# KiCad board 60rtho_2.kicad_pcb (continued)
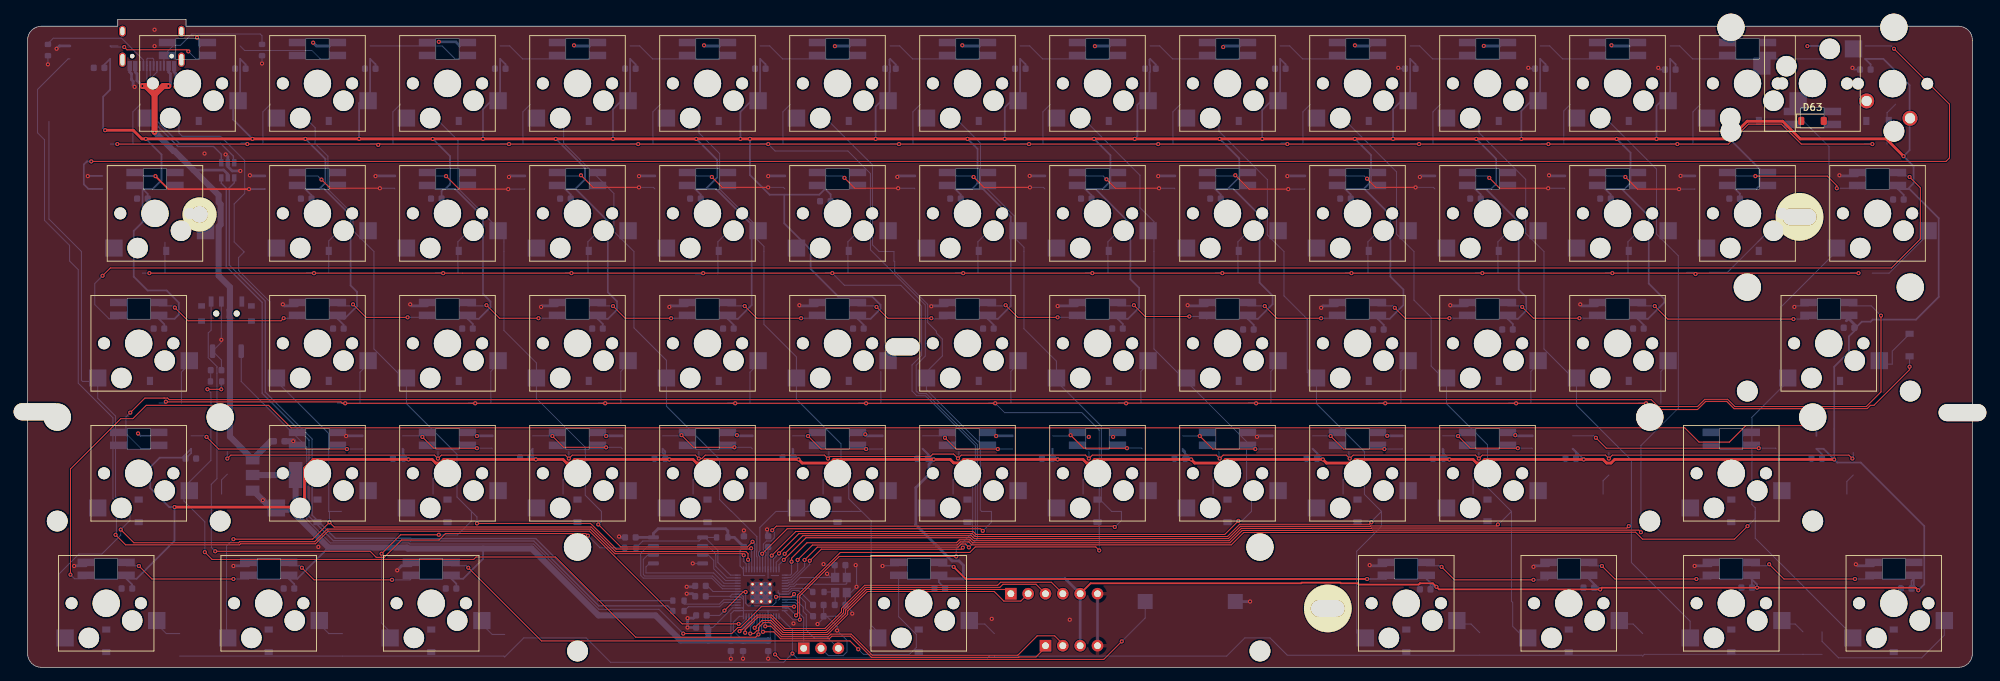
[diagram p0: board, top side]
## Footprints (pads in the part's own frame, mm; a bottom-side part is the same pattern mirrored in y, then rotated) (continued)
  oval 1x2.1 hole 0.6x1.7: S1(-4.32,3.13) S1(4.32,3.13)

## Nets
+1V1: C1.1 C2.1 C10.1 U62.23 U62.45 U62.50
+3V3: C3.1 C4.1 C5.1 C6.1 C7.1 C8.1 C9.1 C11.1 C14.1 C16.1 C17.1 C18.1 C19.1 C20.1 C21.1 C22.1 C23.1 C24.1 C25.1 C26.1 C27.1 C28.1 C29.1 C30.1 C31.1 C32.1 C33.1 C34.1 C35.1 C36.1 C37.1 C38.1 C39.1 C40.1 C41.1 C42.1 C43.1 C44.1 C45.1 C46.1 C47.1 C48.1 C49.1 C50.1 C51.1 C52.1 C53.1 C54.1 C55.1 C56.1 C57.1 C58.1 C59.1 C60.1 C61.1 C62.1 C63.1 C64.1 C65.1 C66.1 C67.1 C68.1 C69.1 C70.1 C71.1 C72.1 C73.1 C74.1 C75.1 C76.1 C77.1 J3.3 J4.5 R6.2 U1.6 U2.6 U3.6 U4.6 U5.6 U6.6 U7.6 U8.6 U9.6 U10.6 U11.6 U12.6 U13.6 U14.6 U15.6 U16.6 U17.6 U18.6 U19.6 U20.6 U21.6 U22.6 U23.6 U24.6 U25.6 U26.6 U27.6 U28.6 U29.6 U30.6 U31.6 U32.6 U33.6 U34.6 U35.6 U36.6 U37.6 U38.6 U39.6 U40.6 U41.6 U42.6 U43.6 U44.6 U45.6 U46.6 U47.6 U48.6 U49.6 U50.6 U51.6 U52.6 U53.6 U54.6 U55.6 U56.6 U57.6 U58.6 U59.6 U60.6 U61.6 U62.1 U62.10 U62.22 U62.33 U62.42 U62.43 U62.44 U62.48 U62.49 U64.8 U65.2
GND: C1.2 C2.2 C3.2 C4.2 C5.2 C6.2 C7.2 C8.2 C9.2 C10.2 C11.2 C12.2 C13.2 C14.2 C15.2 C16.2 C17.2 C18.2 C19.2 C20.2 C21.2 C22.2 C23.2 C24.2 C25.2 C26.2 C27.2 C28.2 C29.2 C30.2 C31.2 C32.2 C33.2 C34.2 C35.2 C36.2 C37.2 C38.2 C39.2 C40.2 C41.2 C42.2 C43.2 C44.2 C45.2 C46.2 C47.2 C48.2 C49.2 C50.2 C51.2 C52.2 C53.2 C54.2 C55.2 C56.2 C57.2 C58.2 C59.2 C60.2 C61.2 C62.2 C63.2 C64.2 C65.2 C66.2 C67.2 C68.2 C69.2 C70.2 C71.2 C72.2 C73.2 C74.2 C75.2 C76.2 C77.2 D62.1 J1.A1 J1.A12 J1.B1 J1.B12 J2.2 J3.4 J4.6 LS1.2 R1.1 R2.1 SW1.1 SW2.2 U1.3 U2.3 U3.3 U4.3 U5.3 U6.3 U7.3 U8.3 U9.3 U10.3 U11.3 U12.3 U13.3 U14.3 U15.3 U16.3 U17.3 U18.3 U19.3 U20.3 U21.3 U22.3 U23.3 U24.3 U25.3 U26.3 U27.3 U28.3 U29.3 U30.3 U31.3 U32.3 U33.3 U34.3 U35.3 U36.3 U37.3 U38.3 U39.3 U40.3 U41.3 U42.3 U43.3 U44.3 U45.3 U46.3 U47.3 U48.3 U49.3 U50.3 U51.3 U52.3 U53.3 U54.3 U55.3 U56.3 U57.3 U58.3 U59.3 U60.3 U61.3 U62.19 U62.57 U63.2 U64.4 U65.1 Y1.2 Y1.4
VBUS: C15.1 J1.A4 J1.A9 J1.B4 J1.B9 U63.5 U65.3
/QSPICLK: U62.52 U64.6
/QSPISD0: U62.53 U64.5
/QSPISD2: U62.54 U64.3
/QSPISD3: U62.51 U64.7
/QSPISS: R6.1 R7.1 U62.56 U64.1
/RESET: SW1.2 U62.26
/SQPISD1: U62.55 U64.2
/SWCLK: J2.3 U62.24
/SWD: J2.1 U62.25
/USB+: J1.A6 J1.B6 U63.3
/USB-: J1.A7 J1.B7 U63.1
/XIN: C12.1 U62.20 Y1.1
/XOUT: R5.1 U62.21
COL1: U1.2 U15.2 U29.2 U42.2 U54.2 U62.2
COL2: U2.2 U16.2 U30.2 U43.2 U55.2 U62.3
COL3: U3.2 U17.2 U31.2 U44.2 U56.2 U62.4
COL4: U4.2 U18.2 U32.2 U45.2 U62.5
COL5: U5.2 U19.2 U33.2 U46.2 U62.6
COL6: U6.2 U20.2 U34.2 U47.2 U57.2 U62.7
COL7: U7.2 U21.2 U35.2 U48.2 U62.8
COL8: U8.2 U22.2 U36.2 U49.2 U62.9
COL9: U9.2 U23.2 U37.2 U50.2 U62.11
COL10: U10.2 U24.2 U38.2 U51.2 U58.2 U62.12
COL11: U11.2 U25.2 U39.2 U52.2 U59.2 U62.13
COL12: U12.2 U26.2 U40.2 U60.2 U62.14
COL13: U13.2 U27.2 U62.15
COL14: U14.2 U28.2 U41.2 U53.2 U61.2 U62.16
Data+: R3.1 U63.4
Data-: R4.1 U63.6
I2C1_SCL: J3.1 U62.35
I2C1_SDA: J3.2 U62.34
LED: R8.2 U62.36
RGBData1: U1.4 U62.41
RGBData2: U14.5 U15.4
RGBData3: U28.5 U29.4
RGBData4: U41.5 U42.4
RGBData5: U53.5 U54.4
ROW1: D1.1 D2.1 D3.1 D4.1 D5.1 D6.1 D7.1 D8.1 D9.1 D10.1 D11.1 D12.1 D13.1 D14.1 U62.17
ROW2: D15.1 D16.1 D17.1 D18.1 D19.1 D20.1 D21.1 D22.1 D23.1 D24.1 D25.1 D26.1 D27.1 D28.1 U62.18
ROW3: D29.1 D30.1 D31.1 D32.1 D33.1 D34.1 D35.1 D36.1 D37.1 D38.1 D39.1 D40.1 D41.1 U62.27
ROW4: D42.1 D43.1 D44.1 D45.1 D46.1 D47.1 D48.1 D49.1 D50.1 D51.1 D52.1 D53.1 U62.28
ROW5: D54.1 D55.1 D56.1 D57.1 D58.1 D59.1 D60.1 D61.1 U62.29
SPEAKER: LS1.1 U62.32
SPI1_CSn: J4.1 U62.37
SPI1_RX: J4.4 U62.40
SPI1_SCK: J4.2 U62.38
SPI1_TX: J4.3 U62.39
Net-(C13-Pad1): C13.1 R5.2 Y1.3
Net-(D1-Pad2): D1.2 U1.1
Net-(D2-Pad2): D2.2 U2.1
Net-(D3-Pad2): D3.2 U3.1
Net-(D4-Pad2): D4.2 U4.1
Net-(D5-Pad2): D5.2 U5.1
Net-(D6-Pad2): D6.2 U6.1
Net-(D7-Pad2): D7.2 U7.1
Net-(D8-Pad2): D8.2 U8.1
Net-(D9-Pad2): D9.2 U9.1
Net-(D10-Pad2): D10.2 U10.1
Net-(D11-Pad2): D11.2 U11.1
Net-(D12-Pad2): D12.2 U12.1
Net-(D13-Pad2): D13.2 U13.1
Net-(D14-Pad2): D14.2 U14.1
Net-(D15-Pad2): D15.2 U15.1
Net-(D16-Pad2): D16.2 U16.1
Net-(D17-Pad2): D17.2 U17.1
Net-(D18-Pad2): D18.2 U18.1
Net-(D19-Pad2): D19.2 U19.1
Net-(D20-Pad2): D20.2 U20.1
Net-(D21-Pad2): D21.2 U21.1
Net-(D22-Pad2): D22.2 U22.1
Net-(D23-Pad2): D23.2 U23.1
Net-(D24-Pad2): D24.2 U24.1
Net-(D25-Pad2): D25.2 U25.1
Net-(D26-Pad2): D26.2 U26.1
Net-(D27-Pad2): D27.2 U27.1
Net-(D28-Pad2): D28.2 U28.1
Net-(D29-Pad2): D29.2 U29.1
Net-(D30-Pad2): D30.2 U30.1
Net-(D31-Pad2): D31.2 U31.1
Net-(D32-Pad2): D32.2 U32.1
Net-(D33-Pad2): D33.2 U33.1
Net-(D34-Pad2): D34.2 U34.1
Net-(D35-Pad2): D35.2 U35.1
Net-(D36-Pad2): D36.2 U36.1
Net-(D37-Pad2): D37.2 U37.1
Net-(D38-Pad2): D38.2 U38.1
Net-(D39-Pad2): D39.2 U39.1
Net-(D40-Pad2): D40.2 U40.1
Net-(D41-Pad2): D41.2 U41.1
Net-(D42-Pad2): D42.2 U42.1
Net-(D43-Pad2): D43.2 U43.1
Net-(D44-Pad2): D44.2 U44.1
Net-(D45-Pad2): D45.2 U45.1
Net-(D46-Pad2): D46.2 U46.1
Net-(D47-Pad2): D47.2 U47.1
Net-(D48-Pad2): D48.2 U48.1
Net-(D49-Pad2): D49.2 U49.1
Net-(D50-Pad2): D50.2 U50.1
Net-(D51-Pad2): D51.2 U51.1
Net-(D52-Pad2): D52.2 U52.1
Net-(D53-Pad2): D53.2 U53.1
Net-(D54-Pad2): D54.2 U54.1
Net-(D55-Pad2): D55.2 U55.1
Net-(D56-Pad2): D56.2 U56.1
Net-(D57-Pad2): D57.2 U57.1
Net-(D58-Pad2): D58.2 U58.1
Net-(D59-Pad2): D59.2 U59.1
Net-(D60-Pad2): D60.2 U60.1
Net-(D61-Pad2): D61.2 U61.1
Net-(D62-Pad2): D62.2 R8.1
Net-(J1-PadA5): J1.A5 R1.2
Net-(J1-PadB5): J1.B5 R2.2
Net-(J1-PadS1): J1.S1
Net-(R3-Pad2): R3.2 U62.47
Net-(R4-Pad2): R4.2 U62.46
Net-(R7-Pad2): R7.2 SW2.3
Net-(U1-Pad5): U1.5 U2.4
Net-(U2-Pad5): U2.5 U3.4
Net-(U3-Pad5): U3.5 U4.4
Net-(U4-Pad5): U4.5 U5.4
Net-(U5-Pad5): U5.5 U6.4
Net-(U6-Pad5): U6.5 U7.4
Net-(U7-Pad5): U7.5 U8.4
Net-(U8-Pad5): U8.5 U9.4
Net-(U10-Pad4): U9.5 U10.4
Net-(U10-Pad5): U10.5 U11.4
Net-(U11-Pad5): U11.5 U12.4
Net-(U12-Pad5): U12.5 U13.4
Net-(U13-Pad5): U13.5 U14.4
Net-(U15-Pad5): U15.5 U16.4
Net-(U16-Pad5): U16.5 U17.4
Net-(U17-Pad5): U17.5 U18.4
Net-(U18-Pad5): U18.5 U19.4
Net-(U19-Pad5): U19.5 U20.4
Net-(U20-Pad5): U20.5 U21.4
Net-(U21-Pad5): U21.5 U22.4
Net-(U22-Pad5): U22.5 U23.4
Net-(U23-Pad5): U23.5 U24.4
Net-(U24-Pad5): U24.5 U25.4
Net-(U25-Pad5): U25.5 U26.4
Net-(U26-Pad5): U26.5 U27.4
Net-(U27-Pad5): U27.5 U28.4
Net-(U29-Pad5): U29.5 U30.4
Net-(U30-Pad5): U30.5 U31.4
Net-(U31-Pad5): U31.5 U32.4
Net-(U32-Pad5): U32.5 U33.4
Net-(U33-Pad5): U33.5 U34.4
Net-(U34-Pad5): U34.5 U35.4
Net-(U35-Pad5): U35.5 U36.4
Net-(U36-Pad5): U36.5 U37.4
Net-(U37-Pad5): U37.5 U38.4
Net-(U38-Pad5): U38.5 U39.4
Net-(U39-Pad5): U39.5 U40.4
Net-(U40-Pad5): U40.5 U41.4
Net-(U42-Pad5): U42.5 U43.4
Net-(U43-Pad5): U43.5 U44.4
Net-(U44-Pad5): U44.5 U45.4
Net-(U45-Pad5): U45.5 U46.4
Net-(U46-Pad5): U46.5 U47.4
Net-(U47-Pad5): U47.5 U48.4
Net-(U48-Pad5): U48.5 U49.4
Net-(U49-Pad5): U49.5 U50.4
Net-(U50-Pad5): U50.5 U51.4
Net-(U51-Pad5): U51.5 U52.4
Net-(U52-Pad5): U52.5 U53.4
Net-(U54-Pad5): U54.5 U55.4
Net-(U55-Pad5): U55.5 U56.4
Net-(U56-Pad5): U56.5 U57.4
Net-(U57-Pad5): U57.5 U58.4
Net-(U58-Pad5): U58.5 U59.4
Net-(U59-Pad5): U59.5 U60.4
Net-(U60-Pad5): U60.5 U61.4

Pads without a net: D63 1 2; H1 1; H2 1; H4 1; J1 A8 B8; SW2 1; U61 5; U62 30 31; U66 1 2

## Via types
v1: diameter 0.61, hole 0.305, Front to Back, 353 vias

## Routing (per net, layer and track width the routed paths; a pad name or vN(x,y) marks a point on that pad's centre or on a via; arc(x,y) is an arc through that point)
+1V1: length 32.1
  Front w0.152: v1(112.31,10.75) 111.9,10.33 v1(109.67,10.33) ; v1(105.22,11.05) 104.84,11.05 102.11,8.32 v1(102.11,8.31)
  Back w0.152: C2.1 113.98,8.61 113.98,9.52 113.19,10.32 112.17,10.32 ; 112.17,10.32 112.31,10.47 v1(112.31,10.75) ; 112.17,10.32 U62.23 ; U62.45 102.91,9.12 101.41,7.62 C10.1 ; C1.1 99.63,11.94 100.45,11.12 U62.50 105.15,11.12 v1(105.22,11.05) 105.22,9.4 105.6,9.02 109.16,9.02 109.67,9.53 v1(109.67,10.33)
+3V3: length 1818.7
  Front w0.152: v1(23.56,90.3) 23.33,90.52 14.57,90.52 v1(14.16,90.93)
  Front w0.254: J4.5 155.77,12.32 186.62,12.32 186.72,12.41 192.35,12.41 192.44,12.32 194.88,12.32 195.06,12.13 203.85,12.13 204.03,12.31 204.03,12.32 205.93,12.32 v1(206.44,11.81) 206.82,11.43 v1(230.44,11.43) 230.7,11.68 v1(253.43,11.68) 276.67,11.68 v1(277.05,11.3)
  Front w0.406: v1(11.37,78.74) 15.48,78.74 16.75,77.47 v1(17.34,77.47) v1(40.7,77.47) v1(48.58,77.47) v1(59.37,77.47) v1(66.74,77.47) v1(77.41,77.47) v1(85.79,77.47) v1(97.98,77.47) v1(104.46,77.47) v1(105.85,77.47) v1(124.27,77.47) v1(137.73,77.47) v1(143.19,77.47) v1(156.27,77.47) v1(162.24,77.47) v1(174.69,77.47) v1(180.91,77.47) v1(194.5,77.47) v1(200.09,77.47) v1(212.28,77.47) v1(218.88,77.47) v1(232.85,77.47) v1(238.7,77.47) 249.39,77.47 251.98,80.06 257.16,80.06 259.75,77.47 272.35,77.47 v1(274.89,74.93) ; v1(21.53,23.49) v1(39.94,23.49) 40.58,24.13 40.58,29.21 41.85,30.48 v1(55.82,30.48) 59.28,30.48 59.82,29.95 60.45,29.95 60.98,30.48 v1(74.49,30.48) 78.46,30.48 78.99,29.95 79.63,29.95 80.16,30.48 v1(94.04,30.48) 97.51,30.48 98.04,29.95 98.74,29.95 99.28,30.48 v1(112.97,30.48) 113.5,29.95 117.6,29.95 118.13,30.48 v1(132.78,30.48) 135.19,30.48 135.7,29.97 136.68,29.97 137.18,30.48 v1(150.94,30.48) 154.66,30.48 155.19,29.95 155.83,29.95 156.36,30.48 v1(170.5,30.48) 171.03,29.95 175.01,29.95 175.54,30.48 v1(189.8,30.48) 190.33,29.95 194.06,29.95 194.59,30.48 v1(208.34,30.48) 211.81,30.48 212.34,29.95 212.98,29.95 213.51,30.48 v1(228.03,30.48) 230.86,30.48 231.39,29.95 232.03,29.95 232.56,30.48 v1(264.73,30.48)
  Back w0.152: C14.1 112.96,11.28 112.06,11.28 111.5,10.72 U62.22 110.25,10.72 110.12,10.84 ; C8.1 108.51,17.64 U62.10 108.51,13.1 ; 31.14,91.09 31.81,90.42 41.66,90.42 42.89,89.19 44.29,89.19 ; v1(23.56,90.3) 24.67,89.19 25.24,89.19 ; 104.91,8.31 108.46,8.31 ; 104.91,8.31 U62.42 104.3,7.48 103.42,6.6 103.42,5.36 C6.1 ; 104.91,8.31 104.9,8.32 U62.43 103.51,8.32 103.06,7.87 C4.1 ; 104.91,8.31 104.91,8.57 ; 108.46,8.31 108.51,8.27 U62.33 108.51,6.8 108.83,6.48 108.83,4.24 C9.1 ; 108.46,8.31 109.98,8.31 ; 102.93,10.41 103.03,10.32 U62.48 104.5,10.32 104.91,9.91 ; 102.93,10.41 103.24,10.72 U62.49 104.53,10.72 104.91,10.35 104.91,9.91 ; 102.93,10.41 C7.1 ; 110.12,10.84 109.98,10.98 109.98,11.26 ; 110.12,10.84 110.2,10.77 110.2,10.03 109.98,9.81 ; C3.1 104.41,17.09 104.41,14.86 U62.1 104.91,13.52 104.97,13.46 108.04,13.46 ; 104.91,9.91 104.91,8.57 ; 13.24,91.09 12.09,91.09 12.25,90.93 v1(14.16,90.93) ; C11.1 100.39,5.84 103.27,8.72 U62.44 104.75,8.72 104.91,8.57 ; 108.97,13.46 110.05,13.46
  Back w0.254: C21.1 46.32,50.2 45.43,51.09 46.43,51.09 48.27,52.93 48.27,55.04 47.33,55.98 47.33,66.27 43.46,70.14 40.67,70.14 ; 154.97,70.14 155.92,69.19 C70.1 ; 154.97,70.14 157.56,70.14 158.68,71.26 158.68,75.06 v1(156.27,77.47) ; 154.97,70.14 156.47,70.14 161.61,65 161.61,56.89 162.88,55.62 162.88,52.73 161.24,51.09 159.73,51.09 160.49,50.33 C66.1 ; 212.94,68.71 212.94,69.32 212.12,70.14 ; 79.59,68.71 79.59,69.32 78.77,70.14 ; 60.99,70.14 61.22,70.14 ; 60.99,70.14 59.72,70.14 ; 60.99,70.14 60.67,69.82 C46.1 ; 61.22,70.14 62.64,70.14 66.74,66.04 66.74,54.74 67.83,53.64 67.83,52.8 66.12,51.09 64.48,51.09 65.24,50.33 C18.1 ; 61.22,70.14 61.82,70.74 61.91,70.74 61.91,74.93 v1(59.37,77.47) ; 40.67,70.14 41.61,69.2 C26.1 ; 40.67,70.14 42.75,70.14 43.65,71.04 43.65,74.52 v1(40.7,77.47) ; C64.1 241.49,88.39 240.69,89.19 240.69,84.32 238.7,82.32 v1(238.7,77.47) ; 205.6,12.37 204.98,12.99 ; 205.6,12.37 205.58,12.34 C28.1 ; 205.6,12.37 206.15,11.81 v1(206.44,11.81) ; 135.92,70.14 138.4,70.14 139.2,70.94 139.2,76 v1(137.73,77.47) ; 135.92,70.14 136.74,69.32 C68.1 ; 135.92,70.14 139.98,70.14 144.08,66.04 144.08,52.98 142.19,51.09 140.68,51.09 141.57,50.2 141.57,49.66 ; v1(85.79,77.47) 85.79,81.82 88.29,84.32 88.29,89.19 89.1,88.38 89.1,87.76 ; C45.1 112.2,31.94 112.11,32.04 112.11,31.34 v1(112.97,30.48) ; 78.77,70.14 80.29,70.14 85.03,65.4 85.03,54.99 86.37,53.64 86.37,52.43 85.04,51.09 83.53,51.09 84.29,50.33 C61.1 ; 78.77,70.14 80.27,70.14 81.67,71.54 81.67,73.2 v1(77.41,77.47) ; C57.1 146.24,88.39 145.44,89.19 145.44,84.32 143.19,82.07 v1(143.19,77.47) ; 212.12,70.14 213.67,70.14 218.5,65.3 218.5,55.37 219.6,54.28 219.6,52.3 218.39,51.09 216.88,51.09 217.64,50.33 C35.1 ; 212.12,70.14 214.48,70.14 215.2,70.86 215.2,74.55 v1(212.28,77.47) ; 110.88,69.28 108.73,69.28 105.85,72.16 v1(105.85,77.47) ; 110.88,69.28 110.88,65.08 114.74,61.21 114.74,58.39 118.78,54.35 123.76,54.35 124.98,53.14 124.98,52.55 123.52,51.09 121.63,51.09 122.52,50.2 C67.1 ; 110.88,69.28 116.01,69.28 116.87,70.14 117.68,69.33 C60.1 ; v1(162.24,77.47) 162.62,77.85 162.62,82.45 164.4,84.23 164.4,87.2 164.5,87.3 164.5,88.21 164.4,88.31 164.4,89.1 164.49,89.19 165.32,88.37 C65.1 ; 193.07,70.14 195.81,70.14 196.86,71.19 196.86,75.11 v1(194.5,77.47) ; 193.07,70.14 195.86,70.14 199.71,66.29 199.71,57.28 201.61,55.37 201.61,53.11 199.59,51.09 197.83,51.09 198.72,50.2 198.72,49.53 ; 193.07,70.14 193.89,69.32 C75.1 ; v1(17.34,77.47) 19.62,75.18 19.62,71.4 18.36,70.14 16.86,70.14 ; 274.92,68.58 274.92,69.25 274.03,70.14 ; v1(66.74,77.47) 66.74,81.82 69.24,84.32 69.24,89.19 70.04,88.39 C55.1 ; C40.1 20.03,50.3 19.24,51.09 21.54,51.09 22.16,51.71 22.16,53.47 20.38,55.24 17.59,55.24 15.56,57.28 15.56,63.97 16.86,65.27 16.86,70.14 ; 97.82,70.14 99.39,70.14 101.05,71.8 101.05,74.4 v1(97.98,77.47) ; 97.82,70.14 100.87,70.14 106.11,64.9 106.11,53.11 104.09,51.09 102.58,51.09 103.47,50.2 C53.1 ; 97.82,70.14 98.64,69.32 C63.1 ; C51.1 150.19,32.02 150.21,32.04 150.21,31.21 v1(150.94,30.48) ; v1(249.32,77.54) 253.81,73.05 253.81,70.61 253.34,70.14 250.22,70.14 250.91,69.44 C38.1 ; C49.1 127.22,88.37 126.39,89.19 126.3,89.1 126.3,88.31 126.4,88.21 126.4,87.3 126.3,87.2 126.3,84.23 124.27,82.2 v1(124.27,77.47) ; C59.1 179.67,50.2 178.78,51.09 180.29,51.09 182.44,53.24 182.44,54.48 180.53,56.39 180.53,66.29 176.68,70.14 174.02,70.14 ; C41.1 11.25,88.35 12.09,89.19 12.09,84.67 11.06,83.63 11.06,79.04 v1(11.37,78.74) ; C44.1 231.99,69.32 231.17,70.14 ; v1(48.58,77.47) 48.58,82.71 50.19,84.32 50.19,89.19 50.99,88.39 C62.1 ; C77.1 17.6,69.39 16.86,70.14 ; C34.1 207.48,31.91 207.36,32.04 207.36,31.47 v1(208.34,30.48) ; 174.02,70.14 175.84,70.14 177.56,71.85 177.56,74.6 v1(174.69,77.47) ; 174.02,70.14 174.84,69.32 C76.1 ; C19.1 236.82,50.2 235.93,51.09 237.44,51.09 239.84,53.49 239.84,53.97 237.55,56.26 237.55,66.17 233.58,70.14 231.17,70.14 ; C22.1 226.9,31.55 226.41,32.04 226.47,32.04 v1(228.03,30.48) ; v1(104.46,77.47) 104.46,81.44 107.34,84.32 107.34,89.19 108.14,88.39 C33.1 ; v1(218.88,77.47) 218.88,81.56 221.64,84.32 221.64,89.19 222.44,88.39 C69.1 ; 231.17,70.14 234.03,70.14 234.89,70.99 234.89,75.44 v1(232.85,77.47) ; 66.75,17.41 66.75,15.91 63.83,12.99 62.1,12.99 62.83,12.26 62.83,11.56 ; v1(264.73,30.48) 263.17,32.04 262.13,32.04 262.95,31.21 262.95,30.61 ; v1(264.73,30.48) 264.73,44.07 266.89,46.22 266.89,48.51 268.03,49.66 268.03,49.93 268.77,50.67 270.07,50.67 270.37,50.98 276.72,50.98 280.05,54.3 280.05,65.84 275.74,70.14 274.03,70.14 ; v1(264.73,30.48) 265.19,30.02 268.62,30.02 277.93,20.71 277.93,12.18 v1(277.05,11.3) 276.4,11.95 276.4,12.99 276.06,12.65 C31.1 ; C43.1 188.94,31.41 188.31,32.04 189.8,30.54 v1(189.8,30.48) ; 274.03,70.14 275.54,70.14 276.36,70.97 276.36,73.46 v1(274.89,74.93) 275.78,75.82 275.78,85.34 271.93,89.19 269.27,89.19 270.07,88.39 C71.1 ; C24.1 23.97,31.42 23.97,32.04 23.97,32.03 22.67,30.73 19.37,30.73 17.97,29.34 17.97,26.29 20.76,23.49 v1(21.53,23.49) 21.53,18.54 15.98,12.99 14.48,12.99 15.33,12.13 C20.1 ; v1(32.96,77.47) 30.11,80.31 30.11,83.29 31.14,84.32 31.14,89.19 31.95,88.38 C47.1 ; C50.1 169.63,31.66 169.26,32.04 169.26,31.72 v1(170.5,30.48) ; 133.54,12.99 133.54,12.47 C42.1 ; C74.1 203.39,88.39 202.59,89.19 202.59,84.32 200.09,81.82 v1(200.09,77.47) ; v1(55.82,30.48) 54.96,31.34 54.96,32.04 55.08,31.91 C30.1 ; C37.1 73.72,31.76 74.01,32.04 74.01,30.96 v1(74.49,30.48) ; v1(253.43,11.68) 253.43,12.15 252.59,12.99 252.68,12.9 C23.1 ; C72.1 184.34,88.39 183.54,89.19 183.54,84.32 180.91,81.69 v1(180.91,77.47) ; C32.1 39.08,12.2 38.29,12.99 39.52,12.99 44.09,17.56 ; C48.1 93.43,31.66 93.06,32.04 93.06,31.47 v1(94.04,30.48) 93.92,30.61 C48.1 ; 132.04,30.48 C56.1 131.92,31.28 131.16,32.04 132.72,30.48 v1(132.78,30.48) 132.04,30.48 ; v1(230.44,11.43) 230.35,11.43 228.79,12.99 229.55,12.22 C27.1 230.19,11.68 v1(230.44,11.43)
  Back w0.406: 137.13,12.99 137.13,14.95 136.49,15.59 135.47,15.59 130.16,20.9 130.16,26.34 132.09,28.27 132.09,29.79 v1(132.78,30.48) ; 137.13,12.99 133.54,12.99 ; 137.13,12.99 152.05,12.99 J4.5 J3.3 ; C3.1 103.57,19.05 R6.2 102.62,20 102.3,20.32 92.39,20.32 91.71,19.64 U64.8 89.1,19.05 ; 268.03,49.93 266.89,51.08 266.89,51.09 266.8,51.09 266.51,50.8 ; 39.28,23.21 39.66,23.21 v1(39.94,23.49)
  Back w0.889: C11.1 99.75,5.61 99.75,3.95 ; 39.28,23.21 39.18,23.11 C16.1 ; 39.28,23.21 U65.2 32.98,28.19 ; 39.28,23.21 39.28,22.38 44.09,17.56 55.59,17.56 55.74,17.41 73.86,17.41 83.65,7.62 92.01,7.62 95.68,3.95 99.75,3.95 ; 99.75,3.95 C4.1 104.83,3.95 C6.1 104.85,3.92 108.51,3.92 C9.1
GND: length 360.7
  Front w0.152: v1(108.52,70.36) 101.79,70.36 v1(100.27,71.88) ; v1(138.62,71.88) 140.14,70.36 v1(146.88,70.36) ; v1(214.19,71.75) 215.71,70.23 v1(222.82,70.23) ; v1(89.6,70.36) 82.87,70.36 v1(81.09,72.13) ; v1(158.1,71.54) 159.41,70.23 v1(165.8,70.23) ; v1(176.97,72.13) 179.01,70.1 v1(184.72,70.1) ; v1(234.12,71.88) 235.9,70.1 v1(242,70.1) ; v1(119.7,71.75) 121.22,70.23 v1(127.57,70.23) ; v1(196.28,71.63) 197.55,70.36 v1(203.39,70.36) ; v1(70.42,70.1) 63.23,70.1 v1(61.33,72.01) ; v1(43.07,71.5) 44.34,70.23 v1(51.63,70.23)
  Front w0.254: v1(32.45,70.1) 20.64,70.1 v1(18.73,72.01)
  Back w0.152: 212.12,72.04 213.9,72.04 v1(214.19,71.75) ; 91.92,70.14 91.7,70.36 v1(89.6,70.36) ; J2.2 117.35,1.71 119.51,1.71 120.08,2.28 120.08,3.95 v1(118.62,5.41) 118.62,5.97 117.1,7.49 C2.2 ; 110.97,70.14 110.75,70.36 v1(108.52,70.36) ; 260.99,52.99 259.05,52.99 v1(258.89,52.83) ; 135.92,72.04 138.46,72.04 v1(138.62,71.88) ; v1(158.1,71.54) 157.6,72.04 154.97,72.04 ; 231.17,72.04 233.97,72.04 v1(234.12,71.88) ; v1(51.63,70.23) 53.73,70.23 53.82,70.14 ; C13.2 120.84,8.14 v1(120.84,7.87) ; C13.2 119.84,10.76 Y1.2 120.63,10.96 v1(121.48,11.81) 121.48,14.86 v1(121.35,14.98) ; C13.2 119.84,7.89 119.44,7.49 C2.2 ; v1(100.27,71.88) 100.11,72.04 97.82,72.04 ; 193.07,72.04 195.87,72.04 v1(196.28,71.63) ; 40.67,72.04 42.53,72.04 v1(43.07,71.5) ; 78.77,72.04 80.99,72.04 v1(81.09,72.13) ; 244.32,70.14 244.28,70.1 v1(242,70.1) ; C2.2 116.65,7.24 v1(115.76,6.35) ; C2.2 C14.2 ; v1(222.82,70.23) 225.18,70.23 225.27,70.14 ; 59.72,72.04 61.3,72.04 v1(61.33,72.01) ; C4.2 v1(103.06,1.27) ; 149.07,70.14 148.85,70.36 v1(146.88,70.36) ; 187.17,70.14 187.13,70.1 v1(184.72,70.1) ; v1(203.39,70.36) 206,70.36 206.22,70.14 ; C6.2 v1(104.84,1.27) ; 127.64,14.89 125.32,14.89 v1(125.29,14.86) ; 116.87,72.04 119.41,72.04 v1(119.7,71.75) ; v1(165.8,70.23) 168.03,70.23 168.12,70.14 ; 28.4,53.63 v1(28.4,48.02) 28.4,47.64 SW1.1 28.41,45.05 D62.1 ; 72.87,70.14 72.83,70.1 v1(70.42,70.1) ; Y1.4 117.71,13.16 v1(117.15,13.72) ; Y1.4 118.29,13.22 C12.2 116.78,14.98 v1(116.63,15.13) ; Y1.4 113.21,13.16 112.24,12.19 111.68,12.19 111.41,11.92 U62.19 ; U64.4 v1(97.47,15.24) ; v1(127.57,70.23) 129.93,70.23 130.02,70.14 ; v1(176.97,72.13) 176.88,72.04 174.02,72.04 ; C9.2 v1(108.52,1.27) ; R1.1 v1(2.98,88.39) ; R2.1 v1(34.35,88.52)
  Back w0.254: v1(238.95,87.88) 239.2,87.63 C64.2 ; v1(8.83,72.01) 8.86,72.04 10.96,72.04 ; v1(32.45,70.1) 34.73,70.1 34.77,70.14 ; C71.2 267.65,87.63 v1(267.4,87.88) ; C74.2 200.98,87.76 v1(200.85,87.88) ; v1(219.9,87.88) 220.03,87.76 C69.2 ; v1(18.73,72.01) 18.7,72.04 16.86,72.04
  Back w0.406: v1(208.47,53.08) 208.57,52.99 210.98,52.99 ; v1(21.65,85.09) 21.73,85.16 21.73,87.01 21.47,87.27 J1.A12 ; v1(265.49,72.13) 265.59,72.04 268.13,72.04 ; v1(267.91,15.11) 268.13,14.89 270.5,14.89 ; v1(30.16,14.86) 30.19,14.89 32.39,14.89 ; 172.88,52.99 170.09,52.99 v1(169.99,53.08) ; 115.73,52.99 113.19,52.99 v1(113.09,53.08) ; 39.53,52.99 37.62,52.99 v1(37.4,53.21) ; v1(75.25,52.83) 75.41,52.99 77.63,52.99 ; v1(222.95,72.13) 223.04,72.04 225.27,72.04 ; 149.07,72.04 v1(146.84,72.04) ; v1(6.82,14.86) 6.85,14.89 8.58,14.89 ; v1(50.99,72.01) 51.02,72.04 53.82,72.04 ; v1(54.17,14.22) 54.83,14.89 56.2,14.89 ; C7.2 97.45,10.79 v1(96.58,10.79) ; 58.58,52.99 56.29,52.99 v1(56.07,53.21) ; J1.A1 14.97,87.27 15.23,87.01 15.23,86.15 15.47,85.91 15.47,85.3 v1(15.68,85.09) ; C8.2 108.36,19.36 v1(108.36,20.22) ; v1(96.58,11.81) 97.7,11.81 C1.2 ; v1(31.18,72.77) 29.98,72.77 29.34,73.41 U63.2 29.34,74.86 v1(29.02,75.18) ; 96.68,52.99 94.2,52.99 v1(94.04,52.83) ; v1(220.66,14.73) 220.82,14.89 222.89,14.89 ; v1(32.58,72.13) 32.67,72.04 34.77,72.04 ; v1(189.55,52.7) 189.83,52.99 191.93,52.99 ; C5.2 86.8,19.05 v1(86.68,19.18) ; 168.12,72.04 165.7,72.04 v1(165.67,72.01) ; v1(70.55,71.88) 70.71,72.04 72.87,72.04 ; 199.08,14.89 196.76,14.89 v1(196.66,14.98) ; 91.92,72.04 89.63,72.04 v1(89.6,72.01) ; v1(150.94,52.96) 150.97,52.99 153.83,52.99 ; 134.78,52.99 132.48,52.99 v1(132.42,52.93) ; 230.03,52.99 227.74,52.99 v1(227.52,53.21) ; 244.32,72.04 v1(242.22,72.04) ; 49.06,33.94 46.7,33.94 v1(46.67,33.91) ; 6.19,91.09 4.67,91.09 v1(4.25,90.68) ; 110.97,72.04 108.55,72.04 v1(108.52,72.01) ; 182.41,33.94 180.31,33.94 v1(180.15,33.78) ; LS1.2 v1(179.13,9.65) ; C10.2 97.56,7.21 v1(96.71,7.21) v1(96.71,5.84) C11.2 ; v1(244.28,14.86) 244.32,14.89 246.69,14.89 ; v1(184.59,72.01) 184.63,72.04 187.17,72.04 ; 206.22,72.04 204.18,72.04 v1(204.03,71.88) ; C3.2 v1(104.97,20.06) ; v1(127.44,71.88) 127.6,72.04 130.02,72.04 ; J4.6 J3.4
  Back w0.889: 34.47,24.5 v1(34.48,24.51) ; 34.47,24.5 33.08,25.89 32.98,25.89 ; 34.47,24.5 C16.2 ; 37.66,33.15 v1(38.93,33.15)
  vias: v1(18.61,93.47) v1(18.61,91.06) v1(25.93,75.32) v1(42.61,17.65) v1(112.23,6.43) v1(141.29,7.11) v1(152.72,6.98) v1(155.51,33.78)
VBUS: length 81.2
  Front w0.889: 18.61,83.95 17.34,85.22 v1(16.83,85.22) ; 18.61,83.95 19.88,85.22 v1(20.64,85.22) ; 18.61,83.95 v1(18.61,78.48)
  Back w0.406: U63.5 29.34,72.3 28.74,72.9 24.32,72.9 ; J1.A4 15.77,87.27 16.03,87.01 16.03,86.01 v1(16.83,85.22) ; J1.A9 20.67,87.27 20.93,87.01 20.93,85.51 v1(20.64,85.22)
  Back w0.889: v1(18.61,78.48) 21.4,75.69 21.53,75.69 28,69.21 28,68.16 28.29,67.87 28.29,64.9 28,64.61 28,57.4 29.65,55.75 29.65,52.42 29.6,52.37 29.6,51.36 29.65,51.31 29.65,33.82 32.98,30.49 35.63,33.15 C15.1
/QSPICLK: length 18.5
  Back w0.152: U62.52 102.06,11.92 102.04,11.94 101.84,11.94 100.39,13.38 90.44,13.38 90.23,13.59 90.23,15.83 90.91,16.51 U64.6
/QSPISD0: length 16.3
  Back w0.152: U64.5 91.12,15.24 90.61,14.73 90.61,13.84 100.53,13.84 102.05,12.32 U62.53
/QSPISD2: length 7.7
  Back w0.152: U64.3 99.71,16.51 100.55,15.68 100.55,14.45 102.28,12.72 U62.54 103.8,12.72 103.78,12.7
/QSPISD3: length 20.6
  Back w0.152: U64.7 90.91,17.78 89.85,16.72 89.85,13.46 90.23,13.08 100.27,13.08 101.83,11.52 U62.51
/QSPISS: length 20.9
  Back w0.152: R7.1 90.15,18.52 98.38,18.52 U64.1 ; U64.1 99.25,19.05 101.16,17.14 101.16,15.37 103,13.52 U62.56 ; U64.1 R6.1
/RESET: length 110.1
  Front w0.152: v1(112.31,8.89) 107.52,8.89 104.47,5.84 104.08,5.84 103.19,4.95 v1(96.08,4.95)
  Back w0.152: v1(96.08,4.95) 92.52,8.51 83.72,8.51 74.14,18.08 56.02,18.08 55.87,18.24 44.37,18.24 40.91,21.7 40.91,32.3 31.31,41.91 31.31,46.35 ; U62.26 112.08,9.12 v1(112.31,8.89)
/SQPISD1: length 8.2
  Back w0.152: U64.2 99.71,17.78 100.85,16.64 100.85,14.78 102.51,13.12 U62.55
/SWCLK: length 12.5
  Back w0.152: J2.3 117.28,4.32 115.25,4.32 114.11,5.46 114.11,7.75 113.68,8.18 113.68,8.81 112.57,9.92 U62.24
/SWD: length 8.8
  Back w0.152: U62.25 112.49,9.52 112.86,9.14 112.86,8.15 113.73,7.28 J2.1
/USB+: length 25.4
  Back w0.152: J1.A6 17.97,86.04 ; 17.97,86.04 18.45,85.56 ; 17.97,86.04 17.97,86.28 18.97,87.28 J1.B6
  Back w0.2: 18.45,85.56 18.96,85.05 18.96,80.08 22.23,76.8 28.29,76.8 30.16,74.93 30.16,74.08 U63.3
/USB-: length 24.9
  Back w0.152: J1.A7 18.47,89.16 18.35,89.28 17.59,89.28 17.47,89.16 J1.B7 17.47,85.9 18,85.38
  Back w0.2: 18,85.38 18.51,84.87 18.51,79.89 22.05,76.35 27.25,76.35 28.39,75.22 U63.1
/XIN: length 12.2
  Back w0.152: U62.20 111.44,11.52 111.81,11.89 112.37,11.89 112.67,12.19 119.92,12.19 120.04,12.31 Y1.1 119.84,13.37 C12.1
/XOUT: length 4.5
  Back w0.152: U62.21 111.47,11.12 111.93,11.58 114.53,11.58 R5.1
COL1: length 185.8
  Front w0.152: v1(104.94,16.43) 104.71,16.66 86.07,16.66 82.46,20.27 43.9,20.27 42.05,18.41 31.08,18.41 30.93,18.26 15.58,18.26 v1(13.65,20.19)
  Back w0.152: v1(104.94,16.43) 104.94,15.51 105.31,15.15 U62.2 ; 5.51,3.81 4.64,4.68 4.64,13.71 7.53,16.61 10.89,16.61 13.65,19.38 v1(13.65,20.19) 15,21.54 15,22.86 12.89,24.97 12.89,36.83 10.27,39.45 10.27,41.91 8.06,41.91 7.89,42.08 7.89,60.96 3.13,65.72 3.13,80.01
COL2: length 171.6
  Front w0.152: v1(105.58,15.77) 105.58,16.66 105.27,16.97 86.19,16.97 82.59,20.57 44.93,20.57 v1(44.24,21.26) 41.77,18.79 v1(30.16,18.79)
  Back w0.152: 29.32,3.81 29.15,3.98 29.15,17.79 v1(30.16,18.79) ; 22.18,80.01 22.18,78.34 22.67,77.85 28.1,77.85 28.13,77.82 28.28,77.82 31.81,74.29 31.81,69.47 30.28,67.93 30.28,62.36 31.68,60.96 31.7,60.96 31.7,60.85 30.92,60.07 30.92,58.16 35.5,53.59 35.5,42.16 35.75,41.91 36.49,41.91 44.13,34.27 44.13,22.86 ; 44.13,22.86 44.24,22.75 v1(44.24,21.26) ; 44.13,22.86 45.99,22.86 ; U62.3 105.71,15.64 v1(105.58,15.77)
COL3: length 143.9
  Front w0.152: v1(60.26,19.43) 54.65,19.43 v1(51.88,16.66) ; v1(106.03,17.45) 105.92,17.35 86.24,17.35 82.48,21.11 v1(65.85,21.11)
  Back w0.152: 65.04,22.86 62.93,24.97 62.93,31.24 55.52,38.65 55.52,41.91 50.75,46.67 50.75,60.96 47.69,64.02 47.69,66.42 44.01,70.1 44.01,74.93 42.15,76.79 42.15,79.09 41.23,80.01 ; 65.04,22.86 65.04,21.46 63.01,19.43 v1(60.26,19.43) ; 65.04,22.86 65.85,22.05 v1(65.85,21.11) ; v1(51.88,16.66) 51.88,6.47 53.14,5.21 53.14,3.81 ; v1(106.03,17.45) 106.11,17.37 106.11,14.36 U62.4
COL4: length 97.6
  Front w0.152: v1(106.24,18.41) 105.47,17.65 86.93,17.65 v1(83.63,20.95)
  Back w0.152: v1(83.63,20.95) 84.09,21.42 84.09,22.86 81.72,25.23 81.72,32.26 74.57,39.41 74.57,44.62 69.8,49.38 69.8,63.48 63.06,70.22 63.06,77.26 60.3,80.01 60.28,80.01 ; U62.5 106.51,17.14 106.56,17.2 106.56,18.09 v1(106.24,18.41)
COL5: length 77.8
  Back w0.152: U62.6 106.91,16.18 106.81,16.27 106.81,17.01 106.87,17.07 106.87,19.16 103.17,22.86 103.14,22.86 101.41,24.59 101.41,30.48 93.62,38.27 93.62,45 88.85,49.77 88.85,60.96 85.92,63.9 85.92,69.47 78.55,76.83 78.55,79.23 79.33,80.01
COL6: length 109.2
  Back w0.152: 122.19,22.86 120.33,24.72 120.33,28.19 119.19,29.34 119.19,32.76 112.67,39.29 112.67,45.51 107.9,50.27 107.9,61.7 106.74,62.86 106.74,64.77 101.41,70.1 101.41,75.31 98.38,78.34 98.38,80.01 ; 122.19,22.86 109.66,22.86 107.31,20.5 107.31,17.08 107.12,16.89 107.12,16.4 107.31,16.21 U62.7 ; 122.19,22.86 122.22,22.86 123.62,21.46 123.62,6.16 124.57,5.21 124.57,3.81
COL7: length 110.7
  Front w0.152: v1(107.65,16.65) 111.31,20.32 139.67,20.32 v1(139.97,20.01)
  Back w0.152: 117.43,80.01 117.45,80.01 123.81,73.65 123.81,61.92 124.78,60.96 126.95,60.96 126.95,59.56 127.06,59.45 127.06,58.04 131.89,53.21 131.89,50.54 133.18,49.25 133.18,49 134.05,48.13 134.05,45.64 131.72,43.31 131.72,40.68 139.61,32.79 139.61,23.06 139.81,22.86 141.24,22.86 141.24,21.28 v1(139.97,20.01) ; U62.8 107.71,16.6 v1(107.65,16.65)
COL8: length 128.2
  Front w0.152: v1(109.12,20.09) 109.72,20.7 159.19,20.7 v1(159.32,20.57)
  Back w0.152: v1(159.32,20.57) 160.29,21.54 160.29,22.86 158.86,22.86 157.34,24.38 157.34,35.36 150.79,41.91 150.77,41.91 150.77,44.88 146,49.64 146,61.58 144.59,62.99 144.59,66.17 139.64,71.12 139.64,76.83 136.48,79.99 136.48,80.01 ; U62.9 108.11,16.32 108.18,16.4 108.18,16.87 107.82,17.24 107.82,18.06 108.28,18.52 108.96,18.52 109.42,18.99 109.42,19.79 v1(109.12,20.09)
